# Altium PCB Thermostat.PCBDOC (part 3 of 5)
Units mil, origin at the board's own origin, x right, y up, seen from the top; angles counter-clockwise.
Board outline 4724.41 x 1988.19 mil, 4 copper layers (TOP, G1, L2, BOT), stack 61.023 mil thick; 417 components, 243 nets, 1244 pads, 695 vias.
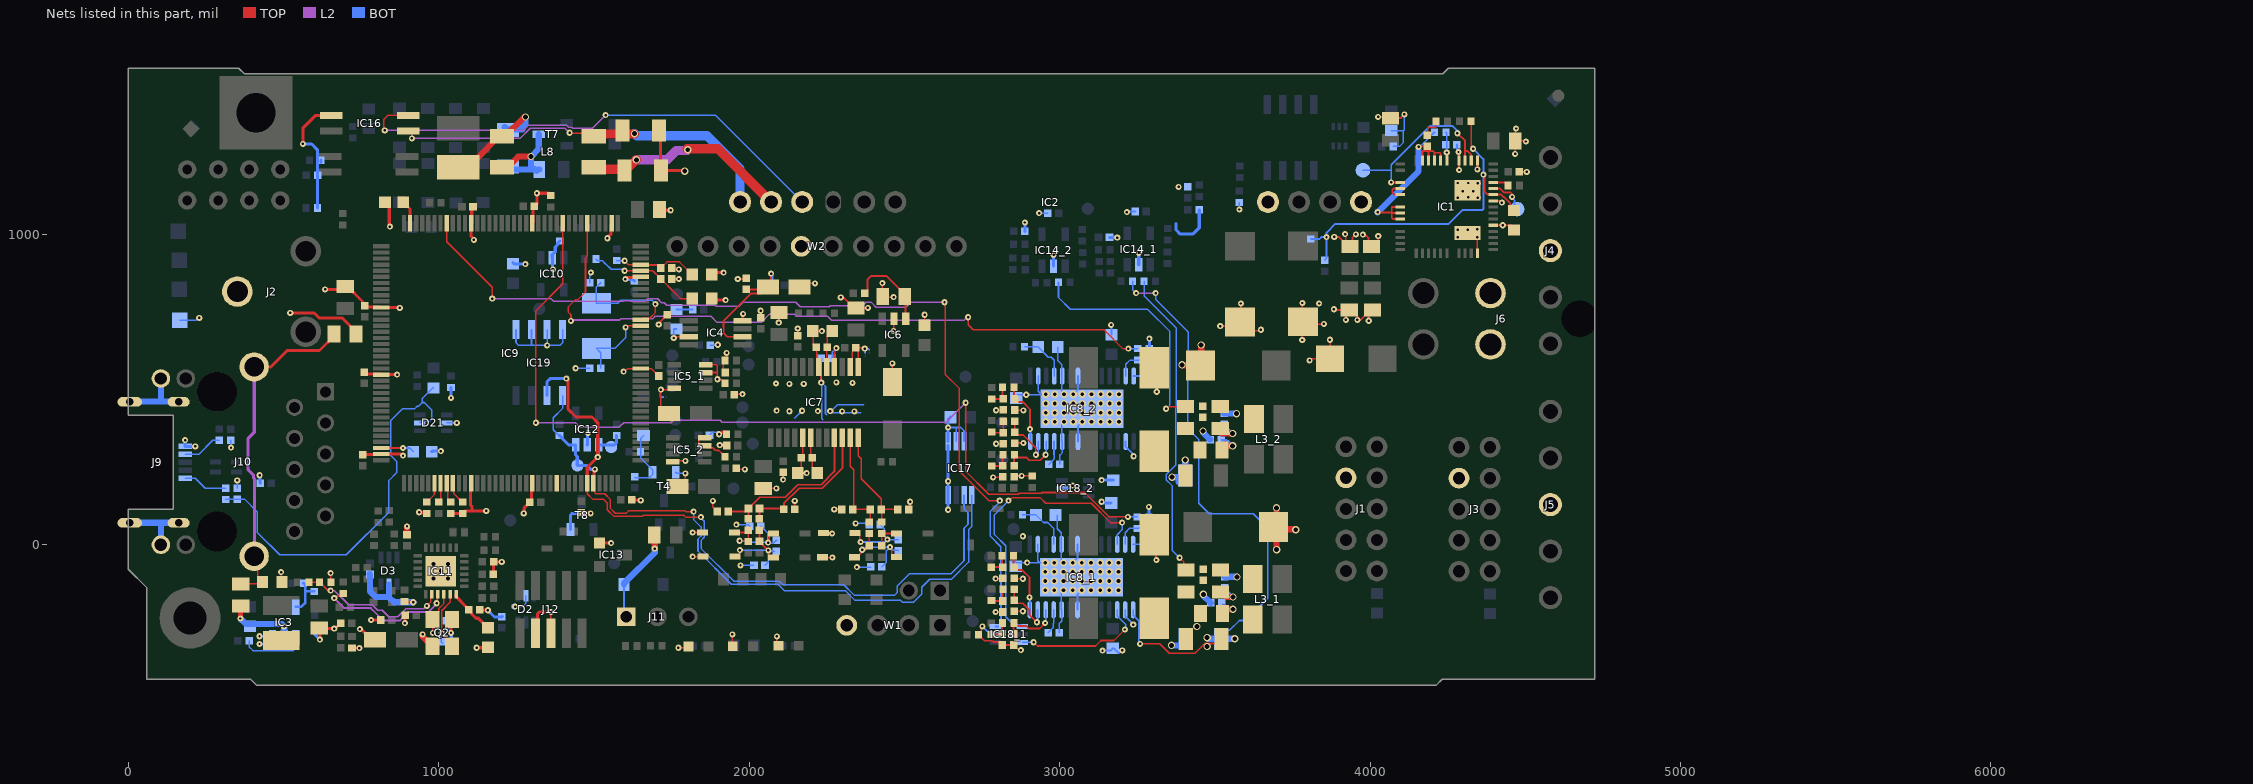
[diagram p5: the nets of this part, all layers, seen from the top]

## Via types
v1: diameter 19.68, hole 7.87, TOP to BOT, tented both sides, 555 vias
v2: diameter 23.62, hole 11.81, TOP to BOT, tented both sides, 72 vias
v3: diameter 23.62, hole 15.75, TOP to BOT, tented both sides, 63 vias
v4: diameter 25.98, hole 12.99, TOP to BOT, tented both sides, 5 vias

## Nets (pads, with @x,y where several pads share a name; then routed paths per layer and width w, separated by ;. In a path a pad name is that pad's centre, name@x,y a point inside that pad or via, vN(x,y) a via of type N, cw(c..) or ccw(c..) an arc to the next point about the centre after c; other vN are vias at no path point) (continued)
Freq1: IC9.65 IC18_1.3 | length 2987.2
  TOP w5: IC9.65@1025.59,1035.43 1025.59,976.54 1172.3,829.83 1172.3,797.58 v1@1176.51,793.37 ; v1(2629.07,781.56) 2631.03,779.59 2631.03,549.21 2677,503.24 2677,237.31 2772.07,142.24 v1(2807,142.24)
  L2 w5: v1(1172.3,793.37) 1361.07,793.37 1370.27,784.16 1593.25,784.16 1594.67,785.59 1617.33,785.59 1618.75,784.16 1663.86,784.16 1672.36,792.66 1705.02,792.66 1717.69,779.98 1726.15,779.98 1734.17,771.97 1889.26,771.97 1892.8,768.43 1966.2,768.43 1979.37,781.59 2149.57,781.59 2164.3,766.85 2257.99,766.85 2261,769.86 2364.41,769.86 2375.32,780.77 2393.64,780.77 2408.83,765.59 2504.33,765.59 2520.3,781.56 2625.51,781.56 v1@2626.17,780.9
  BOT w5: IC18_1.3@2793,-262.99 2803.83,-262.99 2811.09,-255.73 2811.09,-101.3 2810.59,-100.8 2810.59,-6.2 2776.28,28.11 2776.28,107.55 2807,138.27 v1(2807,142.24)
GND: C1.1 C2.1 C3.1 C4.1 C5.1 C6.1 C7.1 C8.2 C9.2 C12.1 C13.1 C14.2 C15.1 C16.2 C17.1 C18.1 C19.2 C20_1.2 C20_2.2 C21.2 C22.2 C23.1 C24.1 C25.1 C26.2 C28.1 C29.2 C30.2 C31.2 C32.2 C33.2 C34.2 C35.2 C36.1 C37.2 C38.1 C39.2 C40.2 C41.2 C42.2 C43.2 C44.2 C45.2 C47.1 C48.1 C49.2 C50.1 C51.2 C52.2 C54.2 C55.1 C56_1.1 C56_2.1 C57_1.1 C57_2.1 C58_1.1 C58_2.1 C59_1.2 C59_2.2 C60_1.2 C60_2.2 C61_1.1 C61_2.1 C64_1.2 C64_2.2 C65.1 C66_1.2 C66_2.2 C67_1.1 C67_2.1 C68_1.1 C68_2.1 C69_1.1 C69_2.1 C70_1.2 C70_2.2 C71_1.2 C71_2.2 C72_1.2 C72_2.2 C73_1.2 C73_2.2 C74_1.2 C74_2.2 C75_1.2 C75_2.2 C76_1.2 C76_2.2 C77.2 C78.1 C79.2 C80.1 C81.1 C82.1 C83_1.1 C83_2.1 C84.1 C85.1 C86.2 C87.1 C88.1 C89_1.2 C89_2.2 C90_1.2 C90_2.2 C92.2 C93.2 C94.2 C95.2 C96.2 C97.2 C98.2 C99.2 C100.1 C101.1 C102.2 C103.2 C104.2 C106.1 C107.2 C108.1 C109.1 C111.1 C112_1.1 C112_2.1 D1.2 D2.2 D3.2 D4.2 D12.2 D15.2 D16.2 D19.2 D20.2 D21.2 IC1.26 IC1.31 IC1.35 IC1.42 IC1.45 IC1.53 IC1.54 IC2.7 IC2.10 IC3.2 IC4.4 IC5_1.8 IC5_2.8 IC6.2 IC7.1 IC7.2 IC7.6 IC7.17 IC8_1.0 IC8_1.2 IC8_1.5 IC8_1.7 IC8_1.22 IC8_1.24 IC8_2.0 IC8_2.2 IC8_2.5 IC8_2.7 IC8_2.22 IC8_2.24 IC9.16 IC9.31 IC9.38 IC9.51 IC9.61 IC9.83 IC9.94 IC9.107 IC9.120 IC9.130 IC10.2 IC11.25 IC12.2 IC13.1 IC14_1.2 IC14_2.2 IC16.3 IC17.4 IC17.5 IC17.6 IC17.7 IC18_1.2 IC18_2.2 IC19.1 IC19.2 IC19.3 IC19.4 J1.3 J2.1 J3.3 J4.3 J5.3 J6.1 J6.2 J9.5 J9.SHIELD J10.L2 J10.L4 J11.1 J12.3 J12.5 LD2.1 LD3.1 LD4.1 NT1.1 NT2.2 NT3.2 Q2.2 Q2.4 R2.1 R9.2 R16.1 R25.2 R26.2 R28.2 R32.1 R63.2 R67.2 R68.2 R70_1.2 R70_2.2 R75.2 R81.2 R84.2 R88.1 R90.1 R92.1 R93.1 R94_1.2 R94_2.2 R106.2 R119.2 R121.2 R135.2 T4.2 T8.2 TP17.1 W1.4 W2.5 | length 14025.2
  TOP w5: C102.2@361.22,-197.83 363.19,-195.87 C102.2@383.86,-216.54 ; v1(491.97,-87.83) 491.97,-116.18 R135.2@495.12,-119.32 ; v1(651.7,-90.85) 651.7,-118.44 R28.2@653.35,-120.08 ; 1104.33,1068.9 1106.3,1070.87 ; J12.5@1361.36,-284.45 v1(1361.36,-216.26) ; v1(1595.26,558.05) 1599.23,558.05 1609.1,567.91 IC9.16@1650.59,567.91 1650.78,567.72 1684.67,567.72 C33.2@1708.39,544 ; v1(1708.74,709.7) 1708.74,713.67 C19.2@1736.22,741.14 ; C20_2.2@1742.13,423.23 1737.66,423.23 1715.55,445.33 v1(1715.55,499.85) 1753.79,499.85 IC5_1.8@1757.87,503.94 ; IC5_2.8@1753.94,267.72 1756.92,270.7 v1(1794.38,270.7) ; C20_1.2@1768.7,187.99 1772.27,187.99 1794.38,210.1 v1(1794.38,230.42) ; v1(1771.86,-331.5) 1800.39,-331.5 LD4.1@1804.13,-327.76 ; v1(1817.76,39.78) D15.2@1850.31,39.78 ; v1@1818.69,-37.67 D16.2@1851.25,-37.67 ; v1(1883.23,141.86) 1883.23,121.11 C45.2@1897.01,107.33 ; v1(1903,356.24) 1906.97,356.24 1910.73,360 1915.35,360 ; R70_1.2@1915.55,593.5 1916.34,592.72 C64_1.2@1916.34,556.1 ; R70_1.2@1921.5,593.72 1927.3,599.52 v1(1927.3,618.37) ; R70_2.2@1923.3,360.15 R70_2.2@1927,356.45 ; v1(1945.96,-288.38) 1945.96,-325.88 LD3.1@1946.85,-326.77 ; C76_1.2@1951.77,483.27 1954.03,485.53 v1(1978.35,485.53) ; C76_2.2@1957.76,247.37 1962.01,243.11 v1(1986.22,243.11) ; v1(1963.08,856.3) 1988.19,856.3 C16.2@1990.16,858.27 ; IC4.4@1978.35,721.46 1978.35,741.9 v1(1980.32,743.88) ; C54.2@2037,730.96 v1(2037,754.24) ; C44.2@2045.22,181.87 v1(2087.63,181.87) ; v1(2089.42,-295.08) 2089.42,-319.74 LD2.1@2094.49,-324.8 ; v1(2095,716.08) 2095,748.27 C42.2@2095.53,748.8 ; v1(2109,210.24) 2109,234.06 C43.2@2109.21,234.27 ; C47.1@2146.71,114.33 v1(2146.71,141.86) ; C41.2@2156.45,673.06 v1(2156.45,696.88) ; C34.2@2162.4,830.71 2163.64,829.47 2176.42,842.24 v1(2212,842.24) ; C51.2@2168.04,280.3 C51.2@2168.04,276.03 ; IC7.17@2172.31,344.7 2172.31,280.3 C51.2@2168.04,276.03 ; v1(2185,231.09) C50.1@2156.45,231.09 2168.04,242.67 C51.2@2168.04,276.03 ; v1(2232.08,522.64) 2229.84,524.88 2229.84,566.69 IC7.6@2223.49,573.05 2217.13,579.4 2217.13,635.49 2206.43,646.18 2206.43,686.69 C48.1@2204.65,688.47 2204.87,688.24 v1(2234,688.24) ; D20.2@2234.51,36.59 2234.56,36.64 2258.21,36.64 2258.26,36.59 v1(2267.07,36.59) ; D19.2@2235.54,-40.84 v1(2268.1,-40.84) ; v1(2273.9,113.99) C52.2@2297.65,113.99 ; IC7.2@2325.85,573.05 2332.21,579.4 2332.21,622.96 C39.2@2343.46,634.21 ; IC7.1@2351.44,573.05 2351.44,626.23 C39.2@2343.46,634.21 ; v1(2372.2,632.24) 2370.23,634.21 C39.2@2343.46,634.21 ; v1(2428.98,843.21) 2428.98,801.52 2432.26,798.24 v1(2465,798.24) ; D12.2@2460.97,524.51 v1(2460.97,584.63) ; v1(2465,689.41) 2465,726.86 IC6.2@2466.39,728.25 ; C55.1@2514.57,113.99 2518.36,117.77 v1(2518.36,138.67) ; C38.1@2565,706.84 v1(2565,741.24) ; v1(2750.98,-262.79) 2750.21,-262.79 2747.28,-265.72 2747.28,-280.84 R94_1.2@2738.37,-289.76 2738.37,-290.54 2747.28,-299.46 2748.07,-299.46 2757.02,-308.41 2781.84,-308.41 2786.36,-312.93 2805.15,-312.93 C71_1.2@2814.86,-322.64 C70_1.2@2851.87,-322.64 2865.57,-336.34 2872.56,-336.34 v1(2875.37,-339.15) ; v1(2785.43,217.39) 2814.41,217.39 C71_2.2@2816.38,219.36 ; v1(2793.75,-216.34) 2793.81,-216.4 C73_1.2@2816.36,-216.4 ; v1(2793.75,-108.49) 2815.46,-108.49 C75_1.2@2816.86,-107.09 ; v1(2795.27,325.66) 2795.33,325.6 C73_2.2@2817.88,325.6 ; v1(2795.27,433.51) 2816.98,433.51 C75_2.2@2818.38,434.91 ; C70_2.2@2853.39,219.36 2856.16,222.13 v1(2877.46,222.13) R94_2.2@2912.09,222.18 R94_2.2@2912.09,222.18 ; C72_1.2@2854.36,-214.43 2854.92,-213.87 v1(2881.7,-213.87) ; C74_1.2@2854.36,-107.65 2855.76,-109.06 v1(2881.7,-109.06) ; C72_2.2@2855.88,327.57 2856.44,328.13 v1(2883.22,328.13) ; C74_2.2@2855.88,434.35 2857.28,432.94 v1(2883.22,432.94) ; v1(3517.43,704.72) 3583.66,704.72 3583.66,690.37 3583.84,690.19 v1@3648.07,690.19 ; v1(3583.66,777.42) 3583.66,704.91 C8.2@3583.84,704.72 ; v1(3648.07,692.7) v1@3650.57,690.19 ; v1(3781.42,659.83) C9.2@3781.42,710.71 ; v1(3781.68,779.08) 3781.68,783.49 3781.42,783.76 C9.2@3781.42,710.71 ; v1(3805.05,594.04) 3810.42,599.41 D1.2@3871.06,599.41 3871.06,659.83 v1(3870.29,660.6) ; v1(3851.42,711.76) 3850.37,710.71 C9.2@3781.42,710.71 ; C2.1@4005.02,960.5 4017.28,960.5 4026.39,969.61 v1(4026.39,994.45) ; v1(4467.09,1259.18) 4467.52,1259.61 C5.1@4467.52,1301.18 ; v1(4470.09,1341.18) 4467.52,1338.61 C5.1@4467.52,1301.18 ; v1(4502.09,1299.18) 4500.09,1301.18 C5.1@4467.52,1301.18
  TOP w6: v1(2294.77,797.21) 2297.38,794.59 2305.41,794.59 2336.57,763.43 v1(2382.5,763.43) ; v1(3201.71,-340.14) 3201.71,-347.47 v1@3202,-347.76 ; v1(3883.61,759.02) 3886.32,756.31 C3.1@3921.79,756.31 ; v1(3884.39,992.13) 3899.26,992.13 C4.1@3921.79,969.59 ; v1(3919.61,1001.02) 3921.79,998.84 C4.1@3921.79,969.59 ; v1(3921.79,724.82) C3.1@3921.79,756.31 ; v1(3954.02,1000.06) 3943.02,989.06 3943.02,960.63 3921.79,960.63 C4.1@3921.79,969.59 ; v1(3977.02,999.06) 3984.57,999.06 3994.63,989.01 C2.1@3994.63,960.63 ; C1.1@3994.63,756.31 C1.1@3994.63,749.68 ; v1(3995.61,722.02) 3994.63,723.01 C1.1@3994.63,749.68 ; v1(4025.82,1378.46) 4053.82,1378.46 4053.82,1376.46 4059.82,1382.46 4066.82,1375.46 4098.99,1375.46 v1(4110.31,1386.77) ; v1(4284.76,1265.51) 4286.42,1263.86 IC1.45@4286.42,1238.19 4286.42,1207.52 v1(4286.76,1207.51) ; IC1.54@4313.98,1003.94 4333.34,1003.94 4345.02,992.25 4345.02,939.43 IC1.26@4345.48,938.98 ; IC1.42@4345.48,1238.19 4345.48,1209.8 v1(4345.76,1209.51) ; IC1.31@4396.66,1029.53 v1(4427.16,1029.53) R2.1@4457.66,1029.53 ; IC1.35@4396.66,1108.27 4420.01,1108.27 4424.76,1103.51 v1(4424.76,1102.51) ; C7.1@4480.3,1201.67 4504.6,1201.67 v1(4504.76,1201.51) ; C3.1@3921.79,756.31 3940.76,756.31 3959.19,737.88 v1(3959.19,724.82) 3969.77,724.82 C1.1@3994.63,749.68
  TOP w10: v1(521.77,747.44) 598.12,747.44 614.42,731.14 688.15,731.14 733.27,686.02 C103.2@733.27,679.13 ; v1(562.2,1291.34) 562.2,1342.13 603.35,1383.27 IC16.3@653.54,1383.27 ; v1(617.33,-305.2) 617.33,-269.89 C14.2@615.16,-267.72 617.12,-269.68 v1(663.42,-269.68) 665.27,-267.82 668.2,-267.82 C93.2@684.06,-251.97 ; v1(633.89,822.83) 688.98,822.83 C35.2@698.82,832.68 705.71,832.68 754.61,783.78 754.61,776.89 764.84,766.65 812.09,766.65 814.64,764.1 873.58,764.1 v1(874.25,763.43) ; R84.2@720.47,-332.48 720.57,-332.58 744,-332.58 v1(744.09,-332.68) ; v1(746.1,-271.64) 747.95,-273.5 751.84,-273.5 784.45,-306.1 C77.2@795.28,-306.1 ; C98.2@755.5,290.35 756.49,291.34 812.99,291.34 IC9.107@813.98,292.32 877.14,292.32 882.14,287.32 v1(884.76,287.32) ; C97.2@759.84,556.1 765.83,550.12 812.09,550.12 IC9.94@813.98,548.23 v1(866.04,548.23) ; v1(782.13,-242.13) C81.1@812.99,-242.13 ; C18.1@826.77,1103.35 840.47,1089.65 840.47,1029.81 842.44,1027.84 v1(842.44,1025.22) ; R26.2@889.76,-182.87 890.75,-183.86 917,-183.86 v1(917.99,-184.84) ; v1(890.75,-251.97) 891.73,-250.98 891.73,-228.35 C88.1@892.72,-227.36 ; v1(936.96,105.15) 938.74,103.36 954.41,103.36 955.91,104.86 955.91,107.28 R119.2@961.61,101.57 ; R106.2@1037.89,101.08 1038.39,101.57 1039.37,100.59 1075.79,100.59 1084.45,109.25 v1(1153.02,109.25) ; v1(1039.42,-283.46) 1039.42,-243.06 Q2.2@1042.32,-240.16 ; IC9.120@1104.33,198.82 1104.33,179.13 1101.81,176.61 1101.81,128.34 1107.67,122.48 1107.67,109.25 ; C95.2@1110.24,1089.57 1106.3,1085.63 1106.3,1070.87 1106.22,1070.79 1106.22,1035.43 1104.33,1033.54 1104.33,993.76 1113.19,984.9 v1(1113.19,982.28) ; v1(1122.05,-331.5) 1156.69,-331.5 C87.1@1158.46,-329.72 ; C100.1@1131.89,-209.65 1132.4,-210.16 1157.56,-210.16 v1(1158.07,-210.67) ; C84.1@1179.43,-90.85 1176.24,-87.66 1176.24,-56.08 R25.2@1177.2,-55.12 v1(1202.76,-55.12) ; v1(1273.68,101.4) 1275.54,103.26 1275.54,119.04 1299.29,142.8 1299.29,196.93 IC9.130@1301.18,198.82 ; IC9.51@1301.18,1035.43 1303.07,1037.32 1303.07,1085.24 C30.2@1307.4,1089.57 ; C30.2@1307.09,1090.55 1314.07,1097.54 1315.85,1095.76 v1(1315.85,1132.68) 1354.38,1132.68 1354.38,1130.66 R32.1@1360.24,1124.8 ; J12.3@1311.36,-316.73 J12.3@1311.36,-284.45 1318.15,-277.66 1318.15,-222.2 1324.09,-216.26 v1(1361.36,-216.26) ; R63.2@1458.66,103.54 1459.73,102.47 1488.1,102.47 v1(1489.17,101.4) ; IC13.1@1517.44,5.52 1517.58,5.66 v1(1555.12,5.66) ; v1(1543.26,987.55) 1543.26,990.17 1555.2,1002.11 1555.2,1033.54 IC9.38@1557.09,1035.43 ; v1(1601,856.24) 1603.57,856.24 1609.02,861.69 1649.09,861.69 IC9.31@1650.59,863.19 ; C94.2@1622.05,145.67 1623.26,144.46 1649.38,144.46 v1(1650.59,143.24) ; C78.1@1710.14,1335.24 1714.21,1331.17 1714.21,1207.13 C82.1@1715.86,1205.48 1790.75,1205.48 v3(1792.41,1203.82) ; C99.2@1710.63,1079.72 1712.6,1077.76 v1(1747.05,1077.76) ; C24.1@1750.98,856.3 v1(1773.71,856.3) ; C23.1@1750.98,891.73 1753.55,889.17 1771.86,889.17 v1(1773.71,887.31) ; C25.1@1878.94,793.31 1883.93,788.32 v1(1923.77,788.32) ; C28.1@1878.94,871.06 1884.84,876.97 v1(1917.57,876.97) ; v1(1905,321.24) 1905.59,320.66 1927.2,320.66 C64_2.2@1927.79,320.07 ; 1912.23,363.12 R70_2.2@1926.27,363.12
  TOP w15: v1(361.22,-237.2) C102.2@361.22,-197.83
  TOP w20: C79.2@897.64,32.55 v1(897.64,59.48) ; v1(948.07,-288.38) 948.07,-295.51 961.77,-309.21 966.69,-309.21 979.33,-321.85 Q2.4@979.33,-326.77 ; C15.1@1694.26,31.31 1695.85,29.72 v1(1695.85,-12.21) ; v3(3394.36,579.75) 3395.89,578.23 3455.9,578.23 v3(3455.9,643.71) v3@3455.44,644.18 ; C67_2.1@3520.15,374.57 3528.56,366.16 3527.06,364.66 3520.89,358.5 v3(3557.05,358.5) ; C67_1.1@3521.59,-151.69 3537.66,-167.76 v3(3558.48,-167.76) ; C60_2.2@3522.64,305.27 3522.64,315.06 3531.5,323.92 3536.39,319.02 3536.52,318.9 v3(3557.21,318.9) ; C60_1.2@3524.07,-220.98 3524.07,-211.19 3532.93,-202.33 3537.83,-207.23 3537.95,-207.36 v3(3558.64,-207.36) ; v3(3698.75,119.16) 3698.75,50.13 C59_1.2@3698.8,50.08 ; v3@3699.27,-15.87 v3(3698.8,-15.41) C59_1.2@3698.8,50.08 ; v3(3760.35,48.55) 3758.82,50.08 C59_1.2@3698.8,50.08
  L2 w5: v1@1942.72,-288.38 v1(1945.96,-288.38)
  BOT w5: TP17.1@165.35,723.43 218.08,723.43 225.95,731.3 v1(228.35,731.3) ; C108.1@330.05,337.08 330.05,317.16 330.28,316.93 330.28,313.42 v1(330.71,312.99) ; C109.1@350.97,182.93 v1(350.97,207.45) ; D21.2@1025.58,393.11 v1(1057.86,393.11) ; v1(1245.95,-198.82) 1270.75,-198.82 1280.51,-189.06 D2.2@1280.51,-163.39 ; IC19.1@1248.82,693.25 1248.82,650.74 1256.85,642.72 1302.83,642.72 ; IC19.2@1298.82,693.25 1298.82,646.73 1302.83,642.72 ; IC19.3@1348.82,693.25 v1(1348.82,642.72) ; IC19.4@1398.82,693.25 1398.82,650.79 1390.75,642.72 v1(1348.82,642.72) ; v1(1440.94,568.9) C21.2@1486.22,568.9 ; C22.2@1486.22,844.49 1486.22,866.7 1487.19,867.67 1487.19,874.43 v1(1490,877.24) ; D4.2@1596.71,-127.44 1596.71,-224.47 J11.1@1604,-231.76 ; v1(1715.55,499.85) 1713.09,497.39 1713.09,475.98 NT1.1@1722.28,475.98 ; T4.2@1763.4,233.7 1766.68,230.42 v1(1794.38,230.42) ; C89_2.2@1872.05,353.35 1881.75,363.05 1897.55,363.05 v1@1898.71,364.21 ; C89_1.2@1875,642.72 1896.65,642.72 v1(1898.62,644.68) ; v1@1944.67,-289.67 v1(1945.96,-288.38) ; v1(1958.76,64.99) 1997.17,64.99 C104.2@2002.43,59.72 ; v1(1972.03,-65.99) C106.1@2015.34,-65.99 ; 2146.86,408.38 v1(2170.58,432.1) ; C86.2@2231.36,601.59 2234.12,598.83 2234.12,596.07 2232.08,594.04 v1(2232.08,522.64) ; 2237.18,403.54 2234.25,406.47 2234.25,520.47 v1(2232.08,522.64) ; 2249.43,418.92 2245.76,422.6 2245.76,510.32 2233.44,522.64 v1(2232.08,522.64) ; v1@2263.78,431.1 2264.8,431.1 2270.7,425.2 2358.76,425.2 ; v1@2264.76,432.09 2283.46,450.79 2368.94,450.79 ; v1(2342.63,68.92) 2382.84,68.92 C111.1@2386.25,65.51 ; v1(2347.06,-71.65) C107.2@2392.08,-71.65 ; v1@2371.94,632.24 2383.88,632.24 NT2.2@2387.19,628.94 ; NT3.2@2374.03,618.37 v1@2374.03,628.65 ; IC17.5@2638.78,321.85 IC17.5@2640.75,319.88 ; v1(2640.75,378.08) 2666.34,378.08 ; IC17.6@2666.34,333.66 2666.34,378.08 ; IC17.7@2691.93,333.66 2691.93,367.43 2681.28,378.08 2666.34,378.08 ; v1@2752,-263.8 2766.56,-278.36 2771.96,-278.36 2782.18,-288.58 IC18_1.2@2793,-288.58 ; C58_1.1@2858.36,-55.09 2860.47,-57.2 v1(2895,-57.2) v2(2953.24,-57.2) ; C58_2.1@2863.3,483.5 2940.52,483.5 2941.09,484.07 IC8_2.0@2941.09,484.8 ; IC8_1.2@2929.61,1.86 2929.61,-51.26 2935.55,-57.2 ; IC8_2.2@2931.13,543.86 2931.13,494.76 IC8_2.0@2941.09,484.8 ; v1(2933.6,1068.38) C90_2.2@2961.28,1068.38 ; v2(2954.76,484.8) IC8_2.0@2941.09,484.8 ; C69_1.1@2992.58,94.9 2992.58,51.5 3005.36,38.71 3005.36,-50.27 v2(3012.29,-57.2) ; C69_2.1@2994.09,636.9 2994.09,593.5 3006.88,580.71 3006.88,491.73 v2(3013.81,484.8) ; C68_1.1@2998.51,-282.5 2998.51,-253.72 3006.39,-245.85 IC8_1.24@3006.39,-209.17 3005.08,-207.86 3005.08,-152.99 v2(3012.29,-145.78) ; C68_2.1@3000.03,259.5 3000.03,288.28 3007.91,296.15 IC8_2.24@3007.91,332.83 3006.6,334.14 3006.6,389.01 v2(3013.81,396.22) ; IC18_2.2@3007.69,182.24 3032.11,182.24 3040.65,190.79 v1(3041.82,190.79) ; v2(3041.82,-57.2) 3057.57,-41.45 IC8_1.7@3057.57,1.86 ; v2(3043.34,484.8) 3059.09,500.55 IC8_2.7@3059.09,543.86 ; IC8_1.22@3057.57,-209.17 3057.57,-159.56 v2(3071.35,-145.78) ; IC8_2.22@3059.09,332.83 3059.09,382.44 v2(3072.87,396.22) ; v1(3216.53,1071.67) 3218.66,1073.8 C90_1.2@3243.28,1073.8 ; v1(3383.2,1152.85) v1@3384.68,1154.33 ; C61_2.1@3520.67,339.19 3521.2,338.66 3537.44,338.66 v3(3557.21,318.9) ; C66_2.2@3530.51,387.8 3557.05,361.26 v3(3557.05,358.5) ; v1(3579,1080.24) R90.1@3579,1102.39 ; R92.1@4067.94,1334.1 R92.1@4067.94,1334.1 4107.38,1334.15 ; R93.1@4074.5,1283.24 4095,1283.24 4107.38,1295.63 4107.38,1334.15 ; v1(4110.31,1386.77) 4110.31,1337.08 4107.38,1334.15 ; 1302.83,642.72 v1(1348.82,642.72)
  BOT w6: v1(3138,-340.76) 3164.02,-340.76 C57_1.1@3171.38,-333.4 3174.27,-333.4 3189.62,-348.76 3198.24,-340.14 v1(3201.71,-340.14) ; v1(3165.93,708.66) 3167.45,707.14 C56_2.1@3167.45,676.63 ; C12.1@4279.53,1289.37 4279.53,1270.74 v1(4284.76,1265.51)
  BOT w10: v1(183.07,337.6) J9.5@183.07,316.93 v1(215.55,316.93) ; v1(422.85,224.27) 424.11,223.01 424.11,200.08 C85.1@425.37,198.82 ; v1(562.2,1291.34) 590.36,1291.34 608.86,1272.84 R9.2@608.86,1085.14 ; R16.1@600.85,-263.89 R16.1@600.07,-263.89 600.07,-287.93 v1(617.33,-305.2) ; R68.2@621.19,1231.99 R68.2@621.19,1238.88 ; v1@649.85,-92.7 v1(651.7,-90.85) ; C17.1@977.36,300.2 979.37,302.2 v1(1006.94,302.2) ; C36.1@1024.61,-245.08 1024.61,-268.64 v1(1039.42,-283.46) 1041.26,-285.3 1041.26,-310.94 C65.1@1043.1,-312.78 ; R75.2@1039.37,507.09 1039.37,473.42 v1(1039.42,473.47) ; v1(1158.07,-210.67) 1179.68,-232.28 C29.2@1202.76,-232.28 C29.2@1204.72,-230.32 ; C26.2@1239.32,909.02 1244.09,904.24 v1(1279,904.24) ; v1(1367.74,887.24) 1366.73,888.25 1366.73,923.76 IC10.2@1365.72,924.77 1365.72,934.61 1375.18,944.07 1375.18,959.04 1382.44,966.29 1382.44,971.72 1388.86,978.14 R88.1@1389.65,978.14 ; T8.2@1424.26,49.32 1424.26,95.55 1430.12,101.4 v1(1489.17,101.4) ; IC12.2@1478.35,321.85 1478.96,322.47 1478.96,359.49 v1(1480.32,360.85) ; v1(1601,856.24) 1602.85,854.39 1625.92,854.39 C31.2@1629.92,850.39 ; v1(2640.75,112.91) IC17.4@2640.75,160.43 IC17.5@2640.75,319.88 ; IC17.5@2640.75,333.66 v1(2640.75,378.08) 2640.75,403.49 C101.1@2648.5,411.24 ; C112_2.1@2887.8,1009.84 v1(2887.8,1038.32) ; IC14_2.2@2980.32,897.64 v1(2980.33,933.86) ; v1(3135.36,138.67) 3139.4,134.63 C56_1.1@3165.93,134.63 ; v1(3135.36,208.65) 3135.41,208.6 C57_2.1@3172.89,208.6 ; C112_1.1@3160.43,990.16 3160.63,989.96 3185.32,989.96 v1(3185.52,989.76) ; v1(3254.85,940.77) 3254.92,940.7 IC14_1.2@3254.92,901.57 ; C83_1.1@3287.4,89.46 v1(3287.4,122.47) ; C83_2.1@3288.92,631.46 v1(3288.92,664.47) ; 3375.05,1034.23 3375.05,1014 3387.32,1001.72 3430.13,1001.72 3449.61,1021.2 R81.2@3449.61,1078.74 ; C61_2.1@3524.54,332.56 3543.54,332.56 v3(3557.21,318.9) ; C61_1.1@3525.7,-193.43 3539.63,-207.36 v3(3558.64,-207.36) ; C66_1.2@3531.95,-138.46 3539.15,-145.66 3539.15,-148.43 v3(3558.48,-167.76) ; C66_2.2@3534.11,381.43 v3@3553.44,362.1
  BOT w20: J9.SHIELD@17.14,70.87 105.12,70.87 ; J9.SHIELD@17.72,461.61 138.23,461.61 139.21,460.63 J9.SHIELD@162.01,460.63 ; J10.L4@105.12,0.39 105.12,70.87 ; 105.12,470.47 J10.L2@105.12,535.83 ; J9.SHIELD@162.01,70.87 105.12,70.87 ; v1(361.22,-237.2) 378.77,-254.76 494.01,-254.76 v1(501.97,-262.72) IC3.2@501.97,-299.21 ; IC3.2@501.97,-301.18 IC3.2@503.78,-299.37 ; C80.1@776.91,-93.81 C80.1@778.58,-95.49 778.58,-150.4 796.35,-168.17 839.35,-168.17 ; D3.2@839.35,-127.46 839.35,-168.17 ; v1(917.99,-184.84) 856.02,-184.84 839.35,-168.17 ; v1@1242.57,-198.82 v1(1245.95,-198.82) ; D4.2@1596.71,-127.44 1596.71,-124.29 1695.85,-25.16 v1(1695.85,-12.21)
  other v1: 1817.76,-37.98 2881.7,27.67 2640.75,204.94 2129.19,430.28 2221.28,430.73 2299.33,430 2338.7,430 2260.95,430.98 2088.27,432.6 2892.44,483.5 2129.19,518.57 2175.68,518.57 2086.3,519.69 2332.8,521.53 2280.63,523.5 3835.84,777.42 4282.76,991.51 4345.76,991.51 4282.76,1015.51 4314.76,1015.51 4345.76,1016.51 4282.48,1118.51 4346.76,1118.51 4315.76,1119.51 4298.76,1139.51 4331.76,1139.51 4346.76,1164.51 4282.48,1165.51 4315.76,1165.51
  other v2: 2953.24,-145.78 2982.76,-145.78 3041.82,-145.78 3100.87,-145.78 3130.4,-145.78 3159.93,-145.78 3189.46,-145.78 2953.24,-116.25 2982.76,-116.25 3012.29,-116.25 3041.82,-116.25 3071.35,-116.25 3100.87,-116.25 3130.4,-116.25 3159.93,-116.25 3189.46,-116.25 2953.24,-86.72 2982.76,-86.72 3012.29,-86.72 3041.82,-86.72 3071.35,-86.72 3100.87,-86.72 3130.4,-86.72 3159.93,-86.72 3189.46,-86.72 2982.76,-57.2 3071.35,-57.2 3100.87,-57.2 3130.4,-57.2 3159.93,-57.2 3189.46,-57.2 2954.76,396.22 2984.28,396.22 3043.34,396.22 3102.39,396.22 3131.92,396.22 3161.45,396.22 3190.98,396.22 2954.76,425.75 2984.28,425.75 3013.81,425.75 3043.34,425.75 3072.87,425.75 3102.39,425.75 3131.92,425.75 3161.45,425.75 3190.98,425.75 2954.76,455.28 2984.28,455.28 3013.81,455.28 3043.34,455.28 3072.87,455.28 3102.39,455.28 3131.92,455.28 3161.45,455.28 3190.98,455.28 2984.28,484.8 3072.87,484.8 3102.39,484.8 3131.92,484.8 3161.45,484.8 3190.98,484.8
  other v4: 983.27,-108.27 1030.51,-108.27 1006.89,-84.65 983.27,-61.02 1030.51,-61.03
HWREV0: IC9.114 R119.1 | length 70.9
  TOP w5: R119.1@961.61,138.58 962.4,138.58 986.22,162.4 IC9.114@986.22,198.82
HWREV1: IC9.115 R120.1 | length 62.7
  TOP w5: R120.1@1000,138.58 1005.91,144.49 IC9.115@1005.91,198.82
HWREV2: IC9.116 R106.1 | length 67
  TOP w5: IC9.116@1025.59,198.82 1028.68,195.73 1028.68,146.52 1037.6,137.6 R106.1@1038.39,137.6
HWREV3: IC9.117 R121.1 | length 74.7
  TOP w5: IC9.117@1045.28,198.82 1048.84,195.26 1048.84,164.74 1075.98,137.6 R121.1@1076.77,137.6